# Altium PCB openmv-stm32n.PcbDoc (part 1 of 5) (continued)
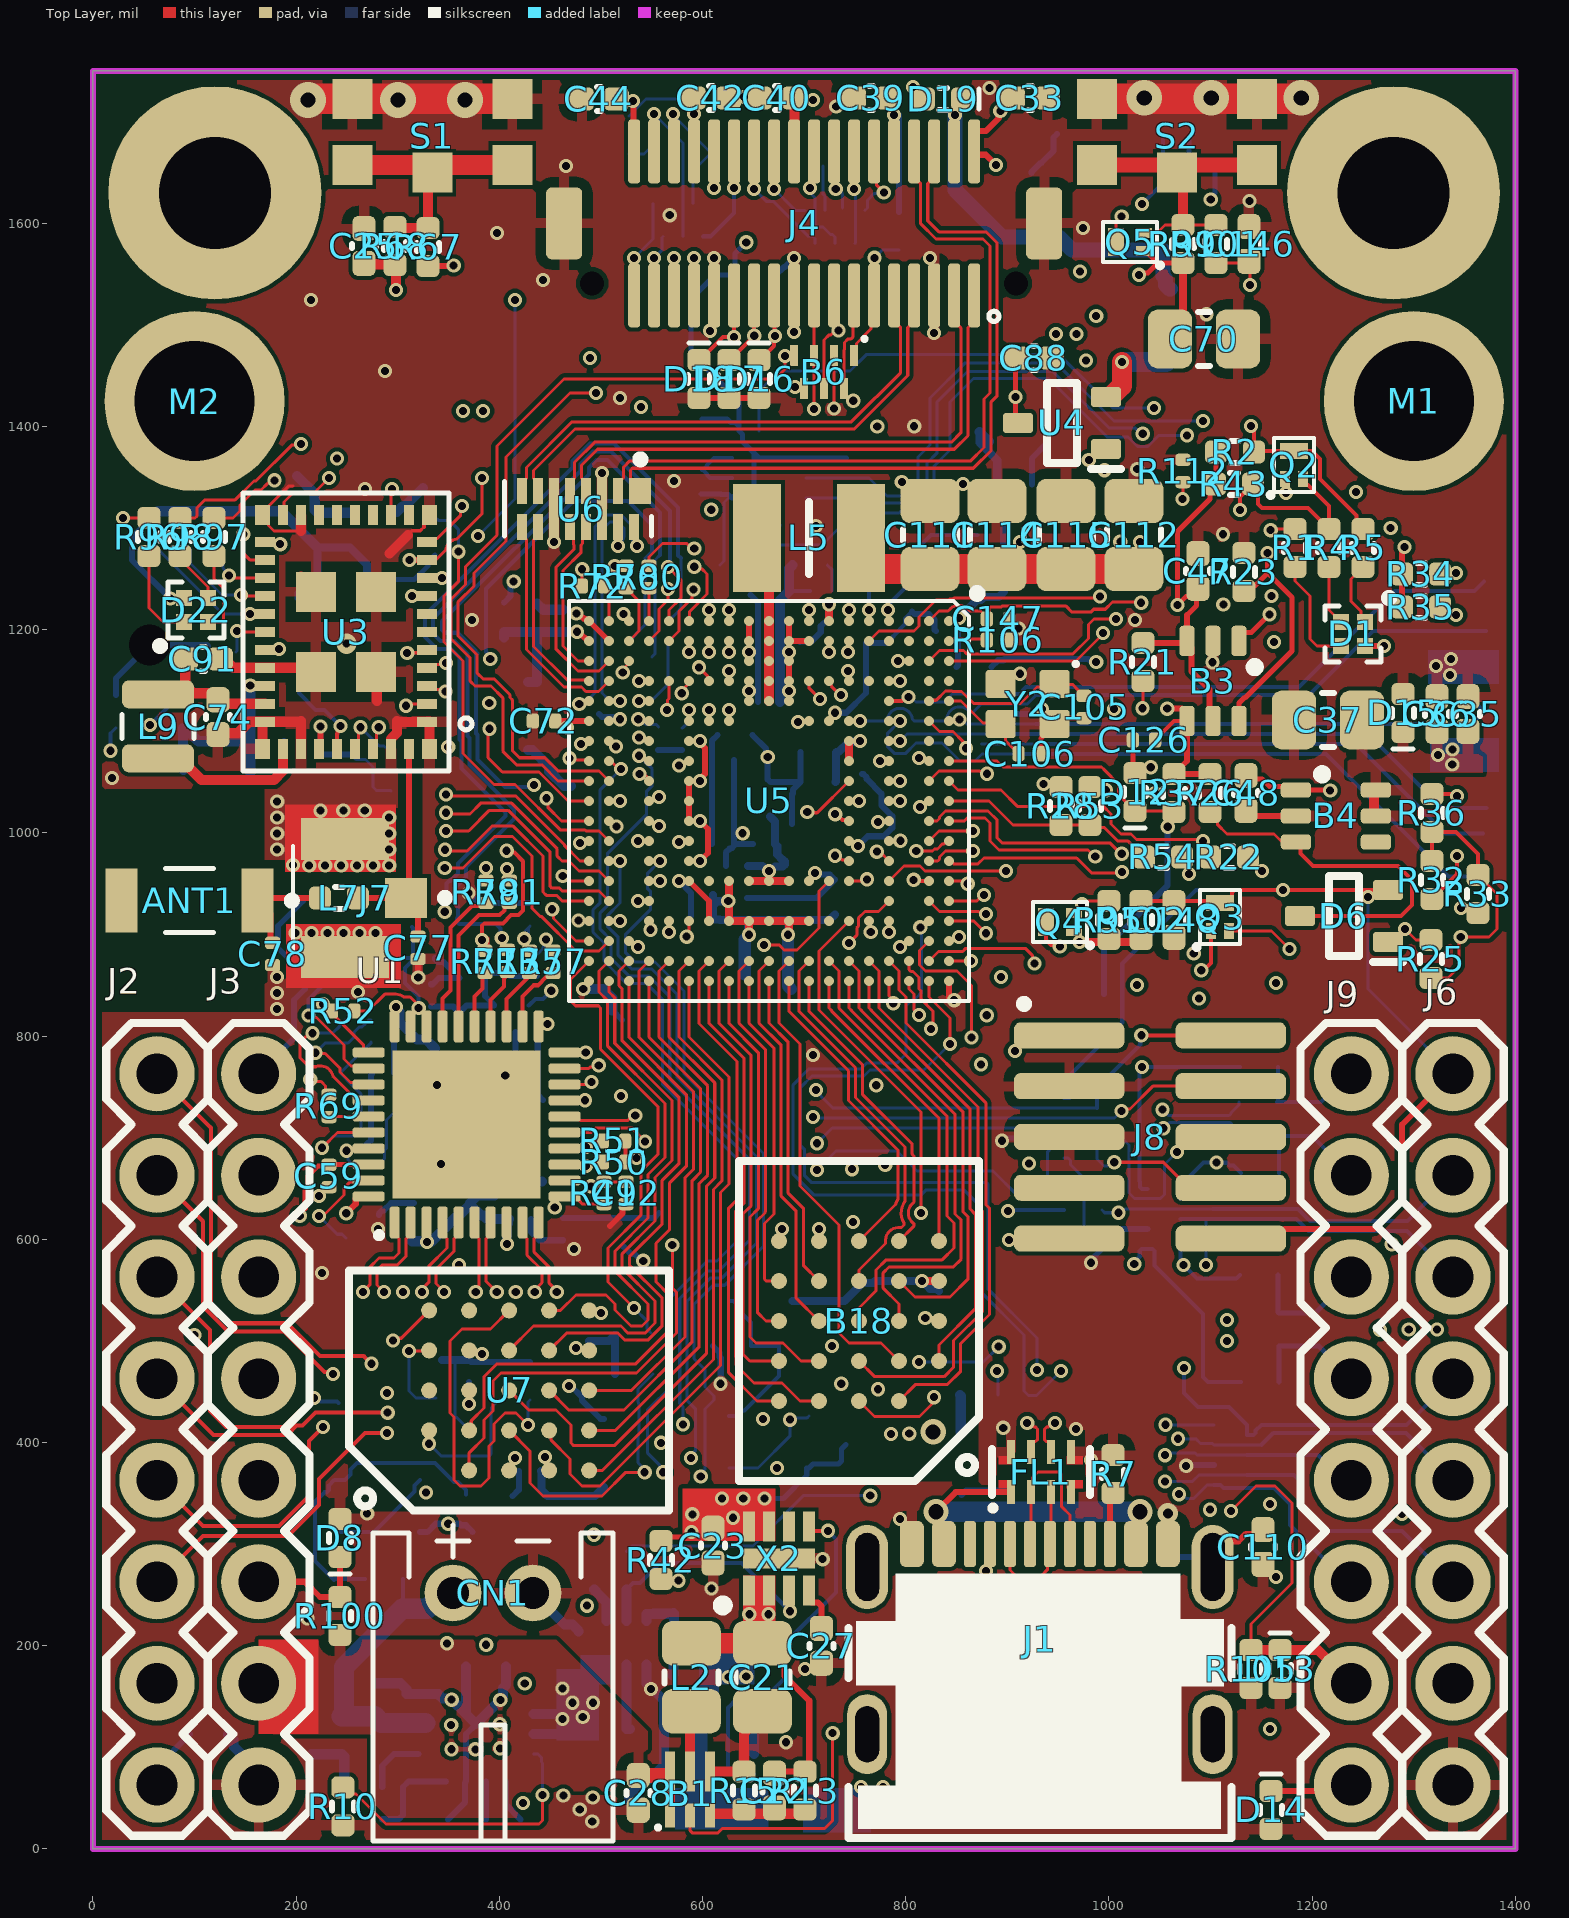
[diagram p0: Top Layer view]
## Components (designator, comment, footprint, x,y, rotation, side; value= is the part's Value field where it differs from the comment) (continued)
D2 "CPDQT5V0HE-HF" CPDQT5V0HEHF 245,112 r270 bottom
D3 "Dual Schottky" SOT-23-3 870.08,199.8 r270 bottom value=?V
D4 "CPDQT5V0HE-HF" CPDQT5V0HEHF 114.02,113 r0 bottom
D5 "CPDQT5V0HE-HF" CPDQT5V0HEHF 215,112 r270 bottom
D6 "BAT54A" SOT65P210X110-3N 1231.3,918.31 r180 top
D7 "CPDQT5V0HE-HF" CPDQT5V0HEHF 1150.59,237.2 r90 bottom
D8 "CPDQT5V0HE-HF" CPDQT5V0HEHF 243.11,306.1 r90 top
D9 "DIODE_GP" SOD523 657.48,539.37 r180 bottom
D10 "CPDQT5V0HE-HF" CPDQT5V0HEHF 924.22,775.59 r270 bottom
D11 "DIODE_GP" SOD523 367.13,379.92 r270 bottom
D12 "CPDQT5V0HE-HF" CPDQT5V0HEHF 1025.59,1040.35 r90 top
D13 "CPDQT5V0HE-HF" CPDQT5V0HEHF 1168.31,177.17 r270 top
D14 "CPDQT5V0HE-HF" CPDQT5V0HEHF 1159.45,38.39 r270 top
D15 "CPDQT5V0HE-HF" CPDQT5V0HEHF 1289.37,1118.11 r90 top
D16 "CPDQT5V0HE-HF" CPDQT5V0HEHF 655.51,1446.85 r270 top
D17 "CPDQT5V0HE-HF" CPDQT5V0HEHF 625.98,1446.85 r270 top
D18 "CPDQT5V0HE-HF" CPDQT5V0HEHF 596.46,1446.85 r270 top
D19 "CPDQT5V0HE-HF" CPDQT5V0HEHF 836.61,1722.44 r180 top
D20 "CPDQT5V0HE-HF" CPDQT5V0HEHF 967.52,1687.99 r0 bottom
D21 "CPDQT5V0HE-HF" CPDQT5V0HEHF 225.39,933.07 r0 bottom
D22 "UHD1110-FKA-CL1A13R3Q1BBQFMF3" LED_UHD1110-FKA-CL1A13R3Q1BBQFMF3 101.38,1219.49 r90 top
FD1 "FIDUCIAL1X2" FIDUCIAL-1X2 2334.41,5754.41 r0 top
FD2 "FIDUCIAL1X2" FIDUCIAL-1X2 2449.41,5754.41 r0 top
FD3 "FIDUCIAL1X2" FIDUCIAL-1X2 2579.41,5754.41 r0 top
FD4 "FIDUCIAL1X2" FIDUCIAL-1X2 2704.41,5754.41 r0 top
FD5 "FIDUCIAL1X2" FIDUCIAL-1X2 1824.41,5754.41 r0 top
FD6 "FIDUCIAL1X2" FIDUCIAL-1X2 1954.41,5754.41 r0 top
FD7 "FIDUCIAL1X2" FIDUCIAL-1X2 2079.41,5754.41 r0 top
FD8 "FIDUCIAL1X2" FIDUCIAL-1X2 2204.41,5754.41 r0 top
FL1 "ECMF02-4CMX8" ECMF024CMX8 933,371 r0 top
IC1 "LM66200DRLR" SOTFL50P160X60-8N 972.44,74.8 r0 bottom
J1 "USB4105-GF-A" GCT_USB4105-GF-A 932,113 r0 top
J2 "DNP" 1X08 63,63 r90 top locked
J3 "DNP" 1X08 163,63 r90 top locked
J4 "DF12NB(3.0)-36DS-0.5V(51)" DF12-36-DS 700,1600 r0 top locked
J5 "USD-1040310811" 1040310811 1156,1069 r270 bottom locked
J6 "DNP" 1X08 1338.58,63 r90 top locked
J7 "DNP" 23370191-NO-3D 248,936 r90 top
J8 "FTSH-105-01-F-DV-K-P-TR" CNC_3221-10-0300-00 1040.35,700.79 r270 top locked
J9 "DNP" 1X08 1238.58,63 r90 top locked
L1 "MFBM1V1608-101-R" 0603-RES 855,380 r90 bottom
L2 "CIGT201210UHR47MNE" 0805 589,169 r90 top value=470nH
L3 "CIGT201210UHR47MNE" 0805 562,118 r0 bottom value=470nH
L5 "SRP3212-1R0M" IND3225X100N 704.72,1290.35 r180 top
L6 "100" C0402 521.76,610.41 r90 bottom
L7 "3.9NH" 0402 242,936 r0 top
L8 "100" C0402 411.76,830.13 r180 bottom
L9 "MAKK2016T2R2M" INDC2016X100N 64,1105 r90 top
L10 "100" C0402 408.76,674.13 r270 bottom
L11 "100" C0402 425.76,737.13 r0 bottom
L12 "MAKK2016T4R7M" INDC2016X100N 354.33,757.87 r270 bottom
L13 "100" C0402 867.13,1163.39 r0 bottom
L14 "100" C0402 404.53,1209.65 r90 bottom
M1 "9774030243R" 9774030243R 1300,1425 r0 top
M2 "9774030243R" 9774030243R 100,1425 r0 top
P1 "OpenMV Logo" OMV-LOGO-SMALL 2919.41,5384.41 r90 top
P2 "OpenMV Logo" OMV-LOGO-SMALL 3074.41,5384.41 r90 top
P3 "RoHS Logo" ROHS 3119.41,5619.41 r0 top
P4 "WEEE Logo" WEEE 3329.41,5629.41 r0 top
Q1 "DMG2301L-7" SOT-23-3-FET 1033.46,199.8 r90 bottom
Q2 "NMOS" DFN1006 1182.09,1362.2 r90 top
Q3 "NMOS" DFN1006 1109.25,917.32 r90 top
Q4 "NMOS" DFN1006 951.77,912.4 r180 top
Q5 "NMOS" DFN1006 1020.67,1581.69 r180 top
R1 "5.1K" 0402-RES 1183.07,1280.51 r270 top
R2 "100K" 0402-RES 1124.02,1375 r180 top
R3 "100K" 0402-RES 662,202 r180 bottom
R4 "10K" 0402-RES 1216.54,1280.51 r270 top
R5 "1K" 0402-RES 1250,1280.51 r90 top
R6 "5.1K" 0402-RES 848.43,288.39 r180 bottom
R7 "5.1K" 0402-RES 1004,369 r90 top
R8 "100K" 0402-RES 493,274 r90 bottom
R9 "10K" 0402-RES 266,61 r180 bottom
R10 "1.1K" 0402-RES 246,42 r270 top
R11 "46.4K" 0402-RES 368,29 r180 bottom
R12 "8.2K" 0402-RES 266,29 r180 bottom
R13 "453K" 0402-RES 700.75,57.49 r90 top
R14 "100K" 0402-RES 1061.02,33.46 r0 bottom
R15 "100K" 0402-RES 640.75,57.49 r270 top
R16 "10K" 0402-RES 525,274 r270 bottom
R17 "200K" 0402-RES 589.13,171 r0 bottom
R18 "100K" 0402-RES 590.13,232 r180 bottom
R19 "DNP" 0402-RES 640.75,1438.98 r0 bottom
R20 "DNP" 0402-RES 635.83,1263.78 r0 bottom
R21 "2.7K" 0402-RES 1033.46,1168.31 r90 top
R22 "2.7K" 0402-RES 1118.11,976.38 r0 top
R23 "100K" 0402-RES 1132.87,1256.89 r90 top
R24 "100K" 0402-RES 793.31,1592.52 r90 bottom
R25 "100K" 0402-RES 1316.93,875.98 r90 top
R26 "10K" 0402-RES 1099.41,1039.37 r270 top
R27 "10K" 0402-RES 670.28,1530.51 r90 bottom
R28 "1K" 0402-RES 952.76,1026.57 r270 top
R29 "10K" 0402-RES 631.89,1530.51 r90 bottom
R30 "4.7K" 0402-RES 608.27,1687.99 r90 bottom
R31 "4.7K" 0402-RES 527.56,1687.01 r90 bottom
R32 "100K" 0402-RES 1317.91,953.74 r270 top
R33 "100K" 0402-RES 1363.19,939.96 r270 top
R34 "100K" 0402-RES 1307.09,1254.92 r0 top
R35 "100K" 0402-RES 1307.09,1222.44 r0 top
R36 "100K" 0402-RES 1317.91,1019.68 r90 top
R37 "100K" 0402-RES 1063.98,1039.37 r270 top
R38 "DNP" 0402-RES 1147.64,769.68 r0 bottom
R39 "DNP" 0402-RES 1148.62,665.35 r0 bottom
R40 "DNP" 0402-RES 1147.64,564.96 r0 bottom
R41 "1Meg" 0402-RES 1039.37,287.4 r180 bottom
R42 "100K" 0402-RES 559.06,284.45 r90 top
R43 "100K" 0402-RES 1123.03,1343.5 r180 top
R44 "DNP" 0402-RES 1148.62,459.65 r0 bottom
R45 "0" 0402-RES 1146.65,735.24 r0 bottom
R46 "0" 0402-RES 1147.64,701.77 r0 bottom
R47 "0" 0402-RES 1148.62,527.56 r0 bottom
R48 "0" 0402-RES 1148.62,495.08 r0 bottom
R49 "10K" R0201 502.95,645.67 r90 top
R50 "1.5K" R0201 512.97,676.18 r180 top
R51 "1.5K" R0201 512.8,696.85 r180 top
R52 "1.5K" R0201 246.24,824.8 r180 top
R53 "100K" 0402-RES 981.3,1026.57 r270 top
R54 "1K" 0402-RES 1053.15,976.38 r180 top
R55 "510" 0402-RES 227.36,876.97 r0 bottom
R56 "4.7K" R0201 284.45,876.97 r180 bottom
R57 "4.7K" R0201 385.83,873.03 r90 bottom
R58 "4.7K" R0201 407.48,873.03 r90 bottom
R59 "4.7K" R0201 437.01,870.08 r90 bottom
R60 "10K" 0402-RES 293.31,1060.04 r90 bottom
R61 "10K" 0402-RES 137.6,1165.34 r270 bottom
R62 "100K" 0402-RES 336.61,1292.32 r270 bottom
R63 "100K" 0402-RES 127,1298 r90 bottom
R64 "100K" 0402-RES 64,1298 r90 bottom
R65 "100K" 0402-RES 158,1298 r90 bottom
R66 "100K" 0402-RES 96,1298 r90 bottom
R67 "10K" 0402-RES 329.72,1576.77 r270 top
R68 "10K" 0402-RES 297.24,1577.76 r270 top
R69 "22" R0201 232.28,731.3 r270 top
R70 "22" R0201 524.61,1251.97 r90 top
R71 "22" R0201 385.76,873.13 r270 top
R72 "22" R0201 492.13,1243.11 r180 top
R73 "22" R0201 407.76,874.13 r270 top
R74 "22" R0201 569.86,1201.58 r90 bottom
R75 "22" R0201 429.76,873.13 r270 top
R76 "22" R0201 550.2,1162.4 r90 bottom
R77 "22" R0201 452.76,873.13 r270 top
R78 "22" R0201 528.54,1179.13 r90 bottom
R79 "22" R0201 386.76,942.13 r270 top
R80 "22" R0201 547.24,1251.97 r90 top
R81 "22" R0201 409.76,942.13 r270 top
R82 "2.49K" R0201 259.84,601.38 r0 bottom
R83 "4.7K" R0201 248.75,826.86 r90 bottom
R84 "4.7K" R0201 273.75,826.86 r90 bottom
R85 "4.7K" R0201 430.12,919.29 r90 bottom
R86 "4.7K" R0201 386.76,942.13 r270 bottom
R87 "4.7K" R0201 409.76,942.13 r270 bottom
R88 "DNP" 0402-RES 430.12,460.63 r270 bottom
R89 "100K" 0402-RES 532.48,505.91 r0 bottom
R90 "DNP" 0402-RES 399.61,460.63 r270 bottom
R91 "100K" 0402-RES 337.6,462.6 r270 bottom
R92 "100K" 0402-RES 532.48,467.52 r0 bottom
R93 "100K" 0402-RES 825.79,592.52 r90 bottom
R94 "100K" 0402-RES 974.41,628.94 r180 bottom
R95 "100K" 0402-RES 1000,914.37 r270 top
R96 "1K" 0402-RES 55.12,1291.34 r270 top
R97 "10K" 0402-RES 119.09,1291.34 r270 top
R98 "5.1K" 0402-RES 85.63,1291.34 r270 top
R99 "10K" 0402-RES 1072.83,1579.72 r270 top
R100 "100K" 0402-RES 243.11,229.33 r270 top
R101 "10K" 0402-RES 1105.32,1579.72 r270 top
R102 "10K" 0402-RES 1031.5,914.37 r90 top
R103 "10K" 0402-RES 872.05,446.85 r180 bottom
R104 "100K" 0402-RES 299.21,1297.24 r90 bottom
R105 "100K" 0402-RES 1139.76,177.17 r270 top
R106 "200" R0201 890.75,1189.96 r0 top
R107 "200" R0201 556.21,1092.79 r270 bottom
R108 "470K" 0402-RES 693.9,495.08 r0 bottom
R109 "1M" 0402-RES 286.42,265.75 r0 bottom
R110 "560K" 0402-RES 628.94,495.08 r180 bottom
R111 "560K" 0402-RES 237.2,246.06 r270 bottom
R112 "200" R0201 1072.83,1356.3 r90 top
S1 "KMS231GLFS" KMS231GLFS 333.92,1690 r180 top
S2 "KMS231GLFS" KMS231GLFS 1067,1690 r180 top
TP1 "TP" TP_1p8 1060.04,1467.52 r180 bottom
TP2 "TP" TP_1p8 1155.51,1467.52 r180 bottom
U1 "RTL8211FI-CG" RTL8211FI-CG 367.76,713.13 r90 top
U2 "BQ24075RGTR" QFN50P300X300X100-17N 377,123 r0 bottom
U3 "LBEE5KL1DX-883" XCVR_LBEE5KL1DX-TEMP 249,1198 r180 top locked
U4 "BAT54CW" SOT65P210X110-3N 953.74,1403.54 r180 top
U5 "STM32N657_223" STM32N657_VFBGA223 665.35,1031.5 r270 top locked
U6 "EMI8143MUTAG" IC_EMI8143MUTAG 477.36,1318.9 r270 top
U7 "MX25UM25645GXDI00-T" 24-TBGA 409.63,451.37 r90 top locked
U8 "LSM6DSMTR" LSM6DSMTR 665.35,1349.41 r90 bottom
U9 "MCP6006T-E/LT" SC70-5 665.35,400.59 r90 bottom
U10 "MCP6006T-E/LT" SC70-5 282.48,337.6 r90 bottom
U11 "3.3V LDO" SC70-5 1078.74,1613.19 r0 bottom
X1 "ECS-327MVATX-3-CN-TR3" XTAL_3225 238,1185.95 r270 bottom
X2 "AP22800HB-7" SON50P161X211X60-9N 675,286 r90 top
X3 "AP22800HB-7" SON50P161X211X60-9N 682,64 r0 bottom
Y1 "SC32S-7PF20PPM" XTAL_ABS07-32.768KHZ-7-T 816.93,1272.64 r180 bottom
Y2 "XRCGB48M000F0L00R0" XRCGB24M000F3M00R0 920.01,1126.97 r180 top
Y3 "ECS-250-6-37B2-AGY-TR" XRCGB24M000F3M00R0 269.52,744 r180 bottom

## Footprints (in the part's own frame and the unit in brackets; to place one, negate y for a bottom-side part, rotate by r counter-clockwise, add the part's x,y. Pads: shape width x height; smd on the part's side, far side on the other; paste and mask are expansions set on the pad)
1X08 [mil] "1X08"
  round 74 / inner round 52 / far side round 74 hole 40: 1(0,0) 2(100,0) 3(200,0) 4(300,0) 5(400,0) 6(500,0) 7(600,0) 8(700,0)
  silkscreen extent -50,-50 750,50, body extent -51,-50 749,50, height 335
24-TBGA [mm]
  round 0.4 smd mask+0.051: A2(-1,2) A3(0,2) A4(1,2) A5(2,2) B1(-2,1) B2(-1,1) B3(0,1) B4(1,1) B5(2,1) C1(-2,0) C2(-1,0) C3(0,0) C4(1,0) C5(2,0) D1(-2,-1) D2(-1,-1) D3(0,-1) D4(1,-1) D5(2,-1) E1(-2,-2) E2(-1,-2) E3(0,-2) E4(1,-2) E5(2,-2)
  silkscreen extent -3,-4 3,4, body extent -3,-4 3,4, height 0.51
0402 [mm] "Chip Resistor, 2-Leads, Body  0402 (in) 1005 (mm), IPC Medium Density"
  rrect51% 0.55x0.58 smd mask+0.05: 1(-0.475,0) 2(0.475,0)
  silkscreen extent -0.1,-0.28 0.1,0.28, body extent -0.5,-0.25 0.5,0.25, height 0.34
0402-CAP [mm] "Chip Capacitor, 2-Leads, Body  0402 (in) 1005 (mm), IPC Medium Density"
  rrect52% 0.63x0.58 smd mask+0.05: 1(-0.435,0) 2(0.435,0)
  silkscreen extent -0.05,-0.3 0.05,0.3, body extent -0.5,-0.25 0.5,0.25, height 0.5
0402-RES [mm] "Chip Resistor, 2-Leads, Body  0402 (in) 1005 (mm), IPC Medium Density"
  rrect51% 0.55x0.58 smd mask+0.05: 1(-0.475,0) 2(0.475,0)
  silkscreen extent -0.1,-0.28 0.1,0.28, body extent -0.5,-0.25 0.5,0.25, height 0.34
0603-CAP [mm] "Chip Capacitor, Body 0603 imperial,1.6x0.8mm, IPC High Density"
  rrect51% 0.8x0.97 smd mask+0.05: 1(-0.7,0) 2(0.7,0)
  silkscreen extent -0.2,-0.5 0.15,0.5, body extent -0.8,-0.4 0.8,0.4, height 0.8
0603-RES [mm]
  rrect51% 0.87x0.97 smd mask+0.05: 1(-0.8,0) 2(0.75,0)
  silkscreen extent -0.2,-0.5 0.15,0.5, body extent -0.8,-0.4 0.8,0.4, height 0.45
0805 [mm] "Chip Capacitor, Body 0805 imperial, 2.0x1.2mm, IPC Medium Density"
  rrect45% 1.11x1.47 smd mask+0.05: 1(-0.85,0) 2(0.85,0)
  silkscreen extent -0.15,-0.67 0.15,0.67, body extent -1,-0.62 1,0.63, height 1.25
23370191-NO-3D [mm] "23370191"
  rect 1x1.05 smd: 1(0,-1.525)
  rect 1.05x2.2 smd: 2(-1.475,0) 3(1.475,0)
  silkscreen extent -1.3,-2.6 1.3,1.3
1040310811 [mm] "1040310811"
  rect 1.2x1 smd: CD$1(5.747,4.438) CD$2(5.747,0.738)
  rect 0.85x1.1 smd: P$1(3.112,-5.412) P$2(2.013,-5.412) P$3(0.912,-5.412) P$4(-0.188,-5.412) P$5(-1.287,-5.412) P$6(-2.387,-5.412) P$7(-3.488,-5.412)
  rect 0.75x1.1 smd: P$8(-4.538,-5.412)
  rect 1.17x1.8 smd: SH(-5.747,-5.062)
  rect 1.9x1.35 smd: SH(-3.722,5.412) SH(2.248,5.412)
  rect 1.55x1.35 smd: SH(5.573,-5.288)
  silkscreen extent -5.99,-4.44 6.03,5.74, body extent -5.94,-5.66 6.01,5.74, height 1.46
9774030243R [mm] "Round Standoff Threaded M2x0.4 Steel 0.118\" (3.00mm)"
  round 4.5 hole 3 unplated mask+0.05: 1(0,0)
  body extent -2.17,-2.17 2.18,2.17, height 3.01
ANTC3216X140N [mm] "ANTC3216X140N"
  rect 0.8x1.6 smd: 1(-1.7,0) 2(1.7,0)
  silkscreen extent -2.66,-0.8 0.6,0.8, body extent -1.6,-0.8 1.6,0.8, height 1.2
C0201 [mil] "0201 IPC-7351"
  rrect50% 12x15 smd mask+1.97: 1(-11,0) 2(11,0)
  body extent -12,-6 12,6, height 14
C0201-NO-3D [mil] "0201 IPC-7351"
  rrect50% 12x15 smd mask+1.97: 1(-11,0) 2(11,0)
C0402 [mm] "Chip Capacitor, 2-Leads, Body  0402 (in) 1005 (mm), IPC Medium Density"
  rrect52% 0.63x0.58 smd mask+0.05: 1(-0.435,0) 2(0.435,0)
  silkscreen extent -0.05,-0.3 0.05,0.3, body extent -0.5,-0.25 0.5,0.25, height 0.5
CAPC0603X33N [mil] "CAPC0603X33N"
  rrect50% 12x15 smd mask+1.97: 1(-10.97,-0.04) 2(11.03,-0.04)
  body extent -12,-6 12,6, height 14
CNC_3221-10-0300-00 [mm] "CNC_3221-10-0300-00"
  rrect50% 0.65x2.76 smd: 1(-2.54,-2.02) 2(-2.54,2.02) 3(-1.27,-2.02) 4(-1.27,2.02) 5(0,-2.02) 6(0,2.02) 7(1.27,-2.02) 8(1.27,2.02) 9(2.54,-2.02) 10(2.54,2.02)
  silkscreen extent -3.43,-3.25 -3.23,-3.05, body extent -3.18,-2.92 3.18,2.92, height 6.13
CPDQT5V0HEHF [mm] "CPDQT5V0HEHF"
  rrect51% 0.55x0.58 smd mask+0.05: 1(-0.475,0) 2(0.475,0)
  silkscreen extent -0.9,-0.27 0.1,0.28, body extent -0.5,-0.25 0.5,0.25, height 0.34
DF12-36-DS [mm] "DF12-36-DS"
  rrect50% 0.3x1.6 smd paste+0 mask+0.05: 1(4.25,-1.8) 2(4.25,1.8) 3(3.75,-1.8) 4(3.75,1.8) 5(3.25,-1.8) 6(3.25,1.8) 7(2.75,-1.8) 8(2.75,1.8) 9(2.25,-1.8) 10(2.25,1.8) 11(1.75,-1.8) 12(1.75,1.8) 13(1.25,-1.8) 14(1.25,1.8) 15(0.75,-1.8) 16(0.75,1.8) 17(0.25,-1.8) 18(0.25,1.8) 19(-0.25,-1.8) 20(-0.25,1.8) 21(-0.75,-1.8) 22(-0.75,1.8) 23(-1.25,-1.8) 24(-1.25,1.8) 25(-1.75,-1.8) 26(-1.75,1.8) 27(-2.25,-1.8) 28(-2.25,1.8) 29(-2.75,-1.8) 30(-2.75,1.8) 31(-3.25,-1.8) 32(-3.25,1.8) 33(-3.75,-1.8) 34(-3.75,1.8) 35(-4.25,-1.8) 36(-4.25,1.8)
  rrect30% 0.9x1.8 smd: M(-6,0) M(6,0)
  round 0 hole 0.6 unplated: MH1(5.3,-1.5) MH2(-5.3,-1.5)
  silkscreen extent 4.62,-2.45 4.87,-2.2, body extent -6.05,-2.3 6.05,2.3, height 2.7
DFN1006 [mm]
  rect 0.4x0.25 smd paste+0 mask+0.05: 1(-0.35,0.225) 2(-0.35,-0.225)
  rect 0.4x0.7 smd paste+0 mask+0.05: 3(0.35,0)
  silkscreen extent -0.81,-0.5 0.68,0.64, body extent -0.5,-0.31 0.5,0.31, height 0.5
ECMF024CMX8 [mil] "ECMF024CMX8"
  rect 7.87x23.62 smd mask+2: 1(-29.53,-19.69) 2(-9.84,-19.69) 3(9.84,-19.69) 4(29.53,-19.69) 5(29.53,19.69) 6(9.84,19.69) 7(-9.84,19.69) 8(-29.53,19.69)
  Top Layer region: -25.59,7.88 -25.59,15.76 -41.34,15.76 -41.34,7.88
  Top Layer region: -25.59,-7.88 -25.59,-15.76 -41.34,-15.76 -41.34,-7.88
  Top Layer region: 25.59,-7.88 25.59,-15.76 41.34,-15.76 41.34,-7.88
  Top Layer region: 25.59,7.88 25.59,15.76 41.34,15.76 41.34,7.88
  silkscreen extent -50,-38 48,23, body extent -49,-24 49,24, height 20
FIDUCIAL-1X2 [mm] "FIDUCIAL-1X2"
  rrect100% 1x1 smd paste+0: 1(0,0)
GCT_USB4105-GF-A [mm] "GCT_USB4105-GF-A"
  round 0 hole 0.65 unplated: 0(-2.89,3.68) 0(2.89,3.68)
  rrect50% 0.6x1.15 smd mask+0: A1_B12(-3.2,4.755) A4_B9(-2.4,4.755) B1_A12(3.2,4.755) B4_A9(2.4,4.755)
  rrect50% 0.3x1.15 smd mask+0: A5(-1.25,4.755) A6(-0.25,4.755) A7(0.25,4.755) A8(1.25,4.755) B5(1.75,4.755) B6(0.75,4.755) B7(-0.75,4.755) B8(-1.75,4.755)
  oval 1x2 hole 0.6 slot 1.4 at 90 deg: SH(-4.32,0) SH(4.32,0)
  oval 1.05x2.1 hole 0.6 slot 1.7 at 90 deg: SH(-4.32,4.18) SH(4.32,4.18)
  silkscreen extent -4.79,-2.6 4.79,2.65, body extent -4.79,-2.6 4.79,5.11, height 3.31
IC_EMI8143MUTAG [mm]
  rect 0.65x0.55 smd mask+0.051: 1(-0.45,1.55)
  rect 0.65x0.25 smd mask+0.051: 2(-0.45,1) 4(-0.45,0.2) 5(-0.45,-0.2) 7(-0.45,-1) 8(-0.45,-1.4) 9(0.45,-1.4) 10(0.45,-1) 12(0.45,-0.2) 13(0.45,0.2) 15(0.45,1) 16(0.45,1.4)
  rect 1.55x0.25 smd mask+0.051: 3_14(0,0.6) 6_11(0,-0.6)
  silkscreen extent -1.34,-1.84 0.68,1.84, body extent -0.68,-1.75 0.68,1.75, height 0.51
IND3225X100N [mm]
  rect 1.2x2.7 smd: 1(-1.3,0) 2(1.3,0)
  silkscreen extent 0,-0.9 0,0.9, body extent -1.6,-1.2 1.6,1.2, height 1
INDC2016X100N [mm] "INDC2016X100N"
  rrect50% 0.7x1.8 smd: 1(-0.8,0) 2(0.8,0)
  silkscreen extent -0.3,-0.9 0.3,0.9, body extent -1,-0.8 1,0.8, height 1
JST-PH-2-THM-RA [mil] "JST-PH-2-THM-RA"
  round 56 hole 31.5: 1(39.37,0) 2(-39.37,0)
  silkscreen extent -118,-67 118,244, body extent -118,-59 118,244, height 195
KMS231GLFS [mm]
  rect 1x1 smd: 1(-2,-0.825) 2(-2,0.825) 3(0,1.016) 4(2,0.825) 5(2,-0.825)
  body extent -2.3,-2.15 2.3,1.4, height 1.43
LED_UHD1110-FKA-CL1A13R3Q1BBQFMF3 [mil] "LED_UHD1110-FKA-CL1A13R3Q1BBQFMF3"
  rect 15.75x15.75 smd: 1(-11.81,11.81) 2(-11.81,-11.81) 3(11.81,-11.81) 4(11.81,11.81)
  silkscreen extent -39,-28 28,39, body extent -20,-20 20,20, height 24
LSM6DSMTR [mil] "Accelerometer, Gyroscope, Temperature, 6 Axis Sensor I²C, SPI Output"
  rect 21x12 smd paste-2.1 mask+2: 1(-46.5,29.53) 2(-46.5,9.84) 3(-46.5,-9.84) 4(-46.5,-29.53) 8(46.5,-29.53) 9(46.5,-9.84) 10(46.5,9.84) 11(46.5,29.53)
  rect 12x21 smd paste-2.1 mask+2: 5(-19.68,-36.5) 6(0,-36.5) 7(19.68,-36.5) 12(19.68,36.5) 13(0,36.5) 14(-19.68,36.5)
  silkscreen extent -66,-56 66,56, body extent -61,-51 61,51, height 34
MMICT390200012 [mm]
  rrect50% 0.522x0.725 smd: 1(-1.364,-0.838) 2(-0.542,-0.838) 4(-0.542,0.837) 5(-1.364,0.837)
  round 1.625 / inner round 0 / far side round 0 all layers, no hole: 3(0.71,0)
  round 0.512 hole 1.025 unplated: 3(0.71,0)
  silkscreen extent -1.45,-1.9 -1.35,-1.8
OMV-LOGO-SMALL [mil] "OMV-LOGO-SMALL"
  silkscreen extent 4,7 394,112
PUSB3TB6AZ [mm]
  rect 0.53x0.2 smd mask+0.05: 1(-0.415,0.75) 2(-0.415,0.25) 3(-0.415,-0.25) 4(-0.415,-0.75) 5(0.415,-0.5) 6(0.415,0) 7(0.415,0.5)
  silkscreen extent -0.88,0.96 -0.78,1.06, body extent -0.6,-1.1 0.6,1.1, height 0.5
QFN50P300X300X100-17N [mil] "QFN50P300X300X100-17N"
  rrect25% 33.86x10.24 smd mask+2: 1(-56.5,29.53) 2(-56.5,9.84) 3(-56.5,-9.84) 4(-56.5,-29.53) 9(56.5,-29.53) 10(56.5,-9.84) 11(56.5,9.84) 12(56.5,29.53)
  rrect25% 10.24x33.86 smd mask+2: 5(-29.53,-56.5) 6(-9.84,-56.5) 7(9.84,-56.5) 8(29.53,-56.5) 13(29.53,56.5) 14(9.84,56.5) 15(-9.84,56.5) 16(-29.53,56.5)
  rect 64x64 smd paste-393.7 mask+2: 17(0,0)
  silkscreen extent -75,-59 59,63, body extent -59,-59 59,59, height 39
R0201 [mil] "0201 IPC-7351"
  rrect50% 12x15 smd mask+1.97: 1(-11,0) 2(11,0)
  body extent -12,-6 12,6, height 9
ROHS [mil] "ROHS"
  silkscreen extent 0,0 158,160
RTL8211FI-CG [mm]
  rrect50% 0.8x0.25 smd mask+0.05: 1(-2.45,1.8) 2(-2.45,1.4) 3(-2.45,1) 4(-2.45,0.6) 5(-2.45,0.2) 6(-2.45,-0.2) 7(-2.45,-0.6) 8(-2.45,-1) 9(-2.45,-1.4) 10(-2.45,-1.8) 21(2.45,-1.8) 22(2.45,-1.4) 23(2.45,-1) 24(2.45,-0.6) 25(2.45,-0.2) 26(2.45,0.2) 27(2.45,0.6) 28(2.45,1) 29(2.45,1.4) 30(2.45,1.8)
  rrect50% 0.25x0.8 smd mask+0.05: 11(-1.8,-2.45) 12(-1.4,-2.45) 13(-1,-2.45) 14(-0.6,-2.45) 15(-0.2,-2.45) 16(0.2,-2.45) 17(0.6,-2.45) 18(1,-2.45) 19(1.4,-2.45) 20(1.8,-2.45) 31(1.8,2.45) 32(1.4,2.45) 33(1,2.45) 34(0.6,2.45) 35(0.2,2.45) 36(-0.2,2.45) 37(-0.6,2.45) 38(-1,2.45) 39(-1.4,2.45) 40(-1.8,2.45)
  rect 3.7x3.7 smd paste-5 mask+0.05: 41(0,0)
  silkscreen extent -2.79,2.16 -2.74,2.21, body extent -2.5,-2.5 2.5,2.5, height 0.85
SC70-5 [mil]
  rrect50% 15x30 smd: 1(-25.59,-39.37) 2(0,-39.37) 3(25.59,-39.37) 4(25.59,39.37) 5(-25.59,39.37)
  silkscreen extent -53,-48 48,26, body extent -43,-47 43,47, height 43
SOD523 [mil]
  rrect20% 30x20 smd: 1(-31,0) 2(31,0)
  silkscreen extent -31,-20 31,20, body extent -33,-17 33,18, height 28
SON50P100X250X50-10N [mm]
  rect 0.75x0.25 smd mask+0.05: 1(-0.5,1) 2(-0.5,0.5) 3(-0.5,0) 4(-0.5,-0.5) 5(-0.5,-1) 6(0.5,-1) 7(0.5,-0.5) 8(0.5,0) 9(0.5,0.5) 10(0.5,1)
  silkscreen extent -1,1.5 -0.75,1.75
SON50P161X211X60-9N [mm]
  rect 0.75x0.3 smd: 1(-0.8,0.75) 2(-0.8,0.25) 3(-0.8,-0.25) 4(-0.8,-0.75) 5(0.8,-0.75) 6(0.8,-0.25) 7(0.8,0.25) 8(0.8,0.75)
  rect 0.5x1.8 smd: 9(0,0)
  silkscreen extent -1.3,1.27 -1.05,1.52, body extent -0.8,-1.05 0.8,1.05, height 0.6
SOT65P210X110-3N [mm] "SOT65P210X110-3N"
  rrect30% 0.75x0.5 smd: 1(-1.1,0.65) 2(-1.1,-0.65) 3(1.1,0)
  silkscreen extent -1.47,-1 0.37,1.15, body extent -1.2,-1.1 1.2,1.1, height 1.1
SOT65P210X110-6N [mil]
  rrect50% 30x15 smd: 1(-39.37,25.59) 2(-39.37,0) 3(-39.37,-25.59) 4(39.37,-25.59) 5(39.37,0) 6(39.37,25.59)
  silkscreen extent -18,37 -10,45, body extent -47,-43 47,43, height 43
SOT-23-3 [mm]
  rrect50% 0.7x1.2 smd: 1(-1,-1.3) 2(1,-1.3) 3(0,1.3)
  silkscreen extent -1.9,-1.65 1.55,0.9, body extent -1.5,-1.42 1.5,1.42, height 1.11
SOT-23-3-FET [mm]
  rrect50% 0.7x1.2 smd: D(0,1.3) G(-1,-1.3) S(1,-1.3)
  silkscreen extent -1.9,-1.65 1.55,0.9, body extent -1.5,-1.42 1.5,1.42, height 1.11
SOTFL50P160X60-8N [mil] "SOTFL50P160X60-8N"
  rect 18.7x11.81 smd: 1(-32.99,29.53) 2(-32.99,9.84) 3(-32.99,-9.84) 4(-32.99,-29.53) 5(32.99,-29.53) 6(32.99,-9.84) 7(32.99,9.84) 8(32.99,29.53)
  silkscreen extent -35,-41 10,46, body extent -24,-43 24,43, height 24
STM32N657_VFBGA223 [mm]
  round 0.25 smd mask+0.051: A1(-4.5,4.5) A2(-4,4.5) A3(-3.5,4.5) A4(-3,4.5) A5(-2.5,4.5) A6(-2,4.5) A7(-1.5,4.5) A8(-1,4.5) A9(-0.5,4.5) A10(0,4.5) A11(0.5,4.5) A12(1,4.5) A13(1.5,4.5) A14(2,4.5) A15(2.5,4.5) A16(3,4.5) A17(3.5,4.5) A18(4,4.5) A19(4.5,4.5) B1(-4.5,4) B2(-4,4) B3(-3.5,4) B4(-3,4) B5(-2.5,4) B6(-2,4) B7(-1.5,4) B8(-1,4) B9(-0.5,4) B10(0,4) B11(0.5,4) B12(1,4) B13(1.5,4) B14(2,4) B15(2.5,4) B16(3,4) B17(3.5,4) B18(4,4) B19(4.5,4) C1(-4.5,3.5) C2(-4,3.5) C3(-3.5,3.5) C17(3.5,3.5) C18(4,3.5) C19(4.5,3.5) D1(-4.5,3) D2(-4,3) D4(-3,3) D5(-2.5,3) D6(-2,3) D7(-1.5,3) D8(-1,3) D9(-0.5,3) D10(0,3) D11(0.5,3) D12(1,3) D13(1.5,3) D14(2,3) D15(2.5,3) D16(3,3) D18(4,3) D19(4.5,3) E1(-4.5,2.5) E2(-4,2.5) E4(-3,2.5) E16(3,2.5) E18(4,2.5) E19(4.5,2.5) F1(-4.5,2) F2(-4,2) F4(-3,2) F6(-2,2) F7(-1.5,2) F8(-1,2) F9(-0.5,2) F10(0,2) F11(0.5,2) F12(1,2) F13(1.5,2) F14(2,2) F16(3,2) F18(4,2) F19(4.5,2) G1(-4.5,1.5) G2(-4,1.5) G4(-3,1.5) G6(-2,1.5) G14(2,1.5) G16(3,1.5) G18(4,1.5) G19(4.5,1.5) H1(-4.5,1) H2(-4,1) H4(-3,1) H6(-2,1) H14(2,1) H16(3,1) H18(4,1) H19(4.5,1) J1(-4.5,0.5) J2(-4,0.5) J3(-3.5,0.5) J4(-3,0.5) J5(-2.5,0.5) J14(2,0.5) J16(3,0.5) J18(4,0.5) J19(4.5,0.5) K1(-4.5,0) K2(-4,0) K3(-3.5,0) K4(-3,0) K5(-2.5,0) K14(2,0) K16(3,0) K18(4,0) K19(4.5,0) L1(-4.5,-0.5) L2(-4,-0.5) L3(-3.5,-0.5) L4(-3,-0.5) L5(-2.5,-0.5) L14(2,-0.5) L16(3,-0.5) L18(4,-0.5) L19(4.5,-0.5) M1(-4.5,-1) M2(-4,-1) M4(-3,-1) M6(-2,-1) M14(2,-1) M16(3,-1) M18(4,-1) M19(4.5,-1) N1(-4.5,-1.5) N2(-4,-1.5) N4(-3,-1.5) N6(-2,-1.5) N14(2,-1.5) N16(3,-1.5) N18(4,-1.5) N19(4.5,-1.5) P1(-4.5,-2) P2(-4,-2) P4(-3,-2) P6(-2,-2) P7(-1.5,-2) P8(-1,-2) P9(-0.5,-2) P10(0,-2) P11(0.5,-2) P12(1,-2) P13(1.5,-2) P14(2,-2) P16(3,-2) P18(4,-2) P19(4.5,-2) R1(-4.5,-2.5) R2(-4,-2.5) R4(-3,-2.5) R16(3,-2.5) R18(4,-2.5) R19(4.5,-2.5) T1(-4.5,-3) T2(-4,-3) T4(-3,-3) T5(-2.5,-3) T6(-2,-3) T7(-1.5,-3) T8(-1,-3) T9(-0.5,-3) T10(0,-3) T11(0.5,-3) T12(1,-3) T13(1.5,-3) T14(2,-3) T15(2.5,-3) T16(3,-3) T18(4,-3) T19(4.5,-3) U1(-4.5,-3.5) U2(-4,-3.5) U3(-3.5,-3.5) U17(3.5,-3.5) U18(4,-3.5) U19(4.5,-3.5) V1(-4.5,-4) V2(-4,-4) V3(-3.5,-4) V4(-3,-4) V5(-2.5,-4) V6(-2,-4) V7(-1.5,-4) V8(-1,-4) V9(-0.5,-4) V10(0,-4) V11(0.5,-4) V12(1,-4) V13(1.5,-4) V14(2,-4) V15(2.5,-4) V16(3,-4) V17(3.5,-4) V18(4,-4) V19(4.5,-4) W1(-4.5,-4.5) W2(-4,-4.5) W3(-3.5,-4.5) W4(-3,-4.5) W5(-2.5,-4.5) W6(-2,-4.5) W7(-1.5,-4.5) W8(-1,-4.5) W9(-0.5,-4.5) W10(0,-4.5) W11(0.5,-4.5) W12(1,-4.5) W13(1.5,-4.5) W14(2,-4.5) W15(2.5,-4.5) W16(3,-4.5) W17(3.5,-4.5) W18(4,-4.5) W19(4.5,-4.5)
  silkscreen extent -5.27,-5 5,5.28, body extent -5,-5 5,5, height 1
TP_1p8 [mm]
  round 1.8 smd paste-2: 1(0,0)
TPS62826ADMQR [mm]
  rect 0.6x0.25 smd mask+0.05: 1(-0.65,0.5) 2(-0.65,0) 3(-0.65,-0.5)
  rect 1x0.25 smd mask+0.05: 4(0.45,-0.5) 5(0.45,0) 6(0.45,0.5)
  silkscreen extent -1,0.75 -0.9,0.85, body extent -0.76,-0.74 0.73,0.74, height 0.5
WEEE [mil] "WEEE"
  silkscreen extent 0,0 150,148
XCVR_LBEE5KL1DX-TEMP [mm] "XCVR_LBEE5KL1DX-TEMP"
  rect 0.5x0.25 smd mask+0.05: 1(-2.025,2.25) 2(-2.025,1.8) 3(-2.025,1.35) 4(-2.025,0.9) 5(-2.025,0.45) 6(-2.025,0) 7(-2.025,-0.45) 8(-2.025,-0.9) 9(-2.025,-1.35) 10(-2.025,-1.8) 11(-2.025,-2.25) 22(2.025,-2.25) 23(2.025,-1.8) 24(2.025,-1.35) 25(2.025,-0.9) 26(2.025,-0.45) 27(2.025,0) 28(2.025,0.45) 29(2.025,0.9) 30(2.025,1.35) 31(2.025,1.8) 32(2.025,2.25)
  rect 0.375x0.5 smd mask+0.05: 12(-2.088,-2.925) 21(2.088,-2.925) 33(2.088,2.925) 42(-2.088,2.925)
  rect 0.25x0.5 smd mask+0.05: 13(-1.575,-2.925) 14(-1.125,-2.925) 15(-0.675,-2.925) 16(-0.225,-2.925) 17(0.225,-2.925) 18(0.675,-2.925) 19(1.125,-2.925) 20(1.575,-2.925) 34(1.575,2.925) 35(1.125,2.925) 36(0.675,2.925) 37(0.225,2.925) 38(-0.225,2.925) 39(-0.675,2.925) 40(-1.125,2.925) 41(-1.575,2.925)
  rect 1x1 smd mask+0.05: 43(-0.75,1) 44(-0.75,-1) 45(0.75,1) 46(0.75,-1)
  silkscreen extent -3.15,-3.47 2.58,3.47, body extent -2.5,-3.5 2.5,3.5, height 1.1
XRCGB24M000F3M00R0 [mm] "XRCGB24M000F3M00R0"
  rrect20% 0.75x0.7 smd mask+0.05: 1(-0.675,-0.5) 2(0.675,-0.5) 3(0.675,0.5) 4(-0.675,0.5)
  silkscreen extent -1.24,-1.04 -1.16,-0.96, body extent -1,-0.8 1,0.8, height 0.65
XTAL_3225 [mm]
  rrect25% 1.3x1.1 smd: 1(-1.15,-0.9) 2(1.15,-0.9) 3(1.15,0.9) 4(-1.15,0.9)
  silkscreen extent -2.45,-1.25 0.3,1.25, body extent -1.6,-1.25 1.6,1.25, height 0.8
XTAL_ABS07-32.768KHZ-7-T [mm] "XTAL_ABS07-32.768KHZ-7-T"
  rect 1.1x1.6 smd: 1(-1.25,0) 2(1.25,0)
  silkscreen extent -0.38,-0.75 0.38,0.75, body extent -1.6,-0.7 1.6,0.7, height 1